# Allegro board HI3516APERB_VER_B_PCB.brd (continued)
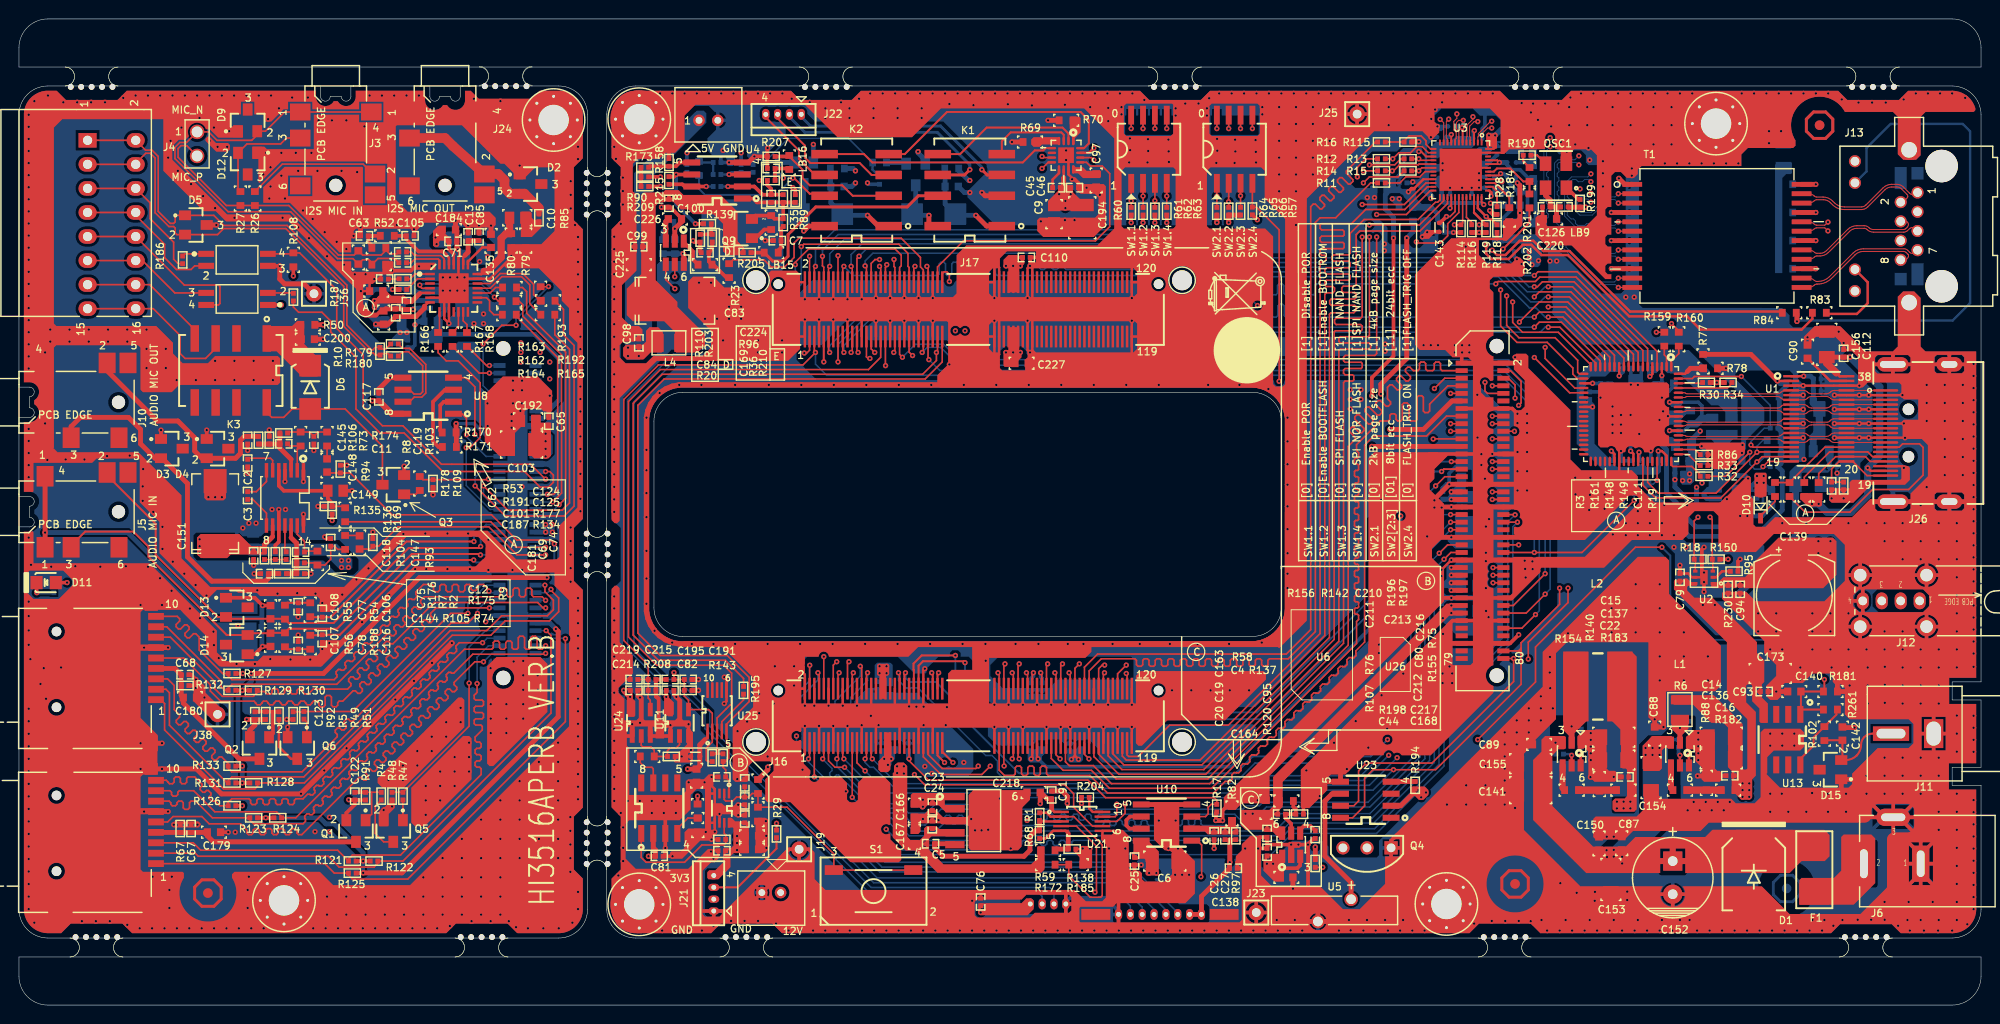
[diagram p0: board, top side]
## Routing (per net, layer and track width the routed paths; a pad name or vN(x,y) marks a point on that pad's centre or on a via; arc(x,y) is an arc through that point) (continued)
PGND: length 296.5
  TOP w0.254: 45.37,75.21 44.87,74.71 ; 45.37,75.21 U17.29 ; 45.37,75.21 U17.10 v1(45.37,71.99) 44.87,72.49 U17.9 44.87,74.71 ; 44.87,74.71 U17.6 ; U17.29 46.36,75.71 47.36,76.71 U17.20 49.7,76.71 51.94,78.96 v1(51.94,79.11) ; U17.29 45.87,76.57 46.37,77.07 U17.24 46.37,78.93 46.45,79.01 46.45,79.17 46.48,79.2 46.48,79.56 46.34,79.7 v1(46.34,79.79) ; 38.1,77.31 37.34,77.31 ; 38.1,77.31 38.18,77.23 C101.2 v1(37.49,76.68) ; 38.1,77.31 39.12,77.31 v1(39.37,77.56) ; v1(36.08,75.41) C187.2 37,76.38 36.96,76.42
  TOP w0.381: C149.2 v1(35.14,54.32) ; 37.72,72.87 38.16,73.31 C181.2 ; R135.2 v1(31.55,52.67) ; v1(32.26,49.45) 32.44,49.27 C118.2 ; U7.1 v1(30.02,55.29) ; v1(18.67,33.5) 18.41,33.75 R132.2 ; U7.4 v1(28.07,55.29) ; Q6.2 v1(28.35,29.36) ; 40.64,55.97 v1(40.64,56.91) ; C180.2 v1(19.57,32.48) ; U12.3 v1(27.52,78.07) ; C119.2 v1(31.11,58.57) ; C77.2 v1(29.46,40.99) ; D9.1 v1(22.17,92.3) ; C68.2 18.16,34.89 v1(18.67,34.38) ; C2.1 v1(24.13,56.15) ; R48.2 v1(39.37,20.97) ; R7.1 27.05,48.56 27.42,48.92 U7.10 v1(27.42,52.34) ; R94.2 v1(34.59,57.02) ; J10.1 v1(2.75,61.43) ; C105.2 v1(41.68,81.93) ; J10.4 v1(2.75,68.93) ; C145.2 v1(24.13,58.57) ; C116.2 v1(32,37.61) ; R49.2 v1(28.24,30.17) ; R74.2 v1(30.81,45.56) ; R73.2 v1(26.42,60.75) ; U7.14 v1(30.02,51.83) ; D4.1 v1(19.81,60.72) ; 41.82,78.03 41.35,77.56 v1(39.37,77.56) ; C179.2 v1(22.09,18.26) ; C78.2 v1(29.46,39.08) ; D12.1 v1(26.09,90.01) ; Q5.2 v1(38.48,20.59) ; C144.2 v1(24.82,45.56) ; C192.2 v1(52.91,62.76) ; D3.1 v1(14.99,60.72) ; R93.2 v1(37.34,49.96)
  TOP w0.508: R79.1 v1(53.47,79.11) ; v1(46.06,82.85) C184.2 46.2,81.77 C71.2 46.2,79.93 v1(46.34,79.79) ; v1(35.31,81.25) C63.2 v1(36.04,82.16) ; C117.2 37.97,65.07 v1(39.17,66.26) U8.5 ; v1(15.09,27.65) J2.11 v1(12.83,27.65) ; 57.15,45.94 57.14,45.95 v1(53.09,45.95) v1(52.07,45.95) v1(49.54,45.95) ; v1(15.73,37.75) J2.6 v1(13.21,37.75) ; C75.2 v1(24.77,46.45) ; v1(29.76,22.32) 29.74,22.3 21.37,22.3 18.73,24.94 v1(15.09,24.94) J1.10 v1(12.83,24.94) ; J36.1 30.09,76.17 28.03,76.17 27.52,76.68 v1(27.52,78.07) ; C65.2 55.91,63.06 55.88,63.09 ; v1(15.73,20.44) J1.6 v1(13.21,20.44) ; C85.2 v1(48.54,82.34) ; v1(51.94,79.11) R80.2 ; C106.2 v1(32,42.46) ; v1(12.83,42.25) J2.10 v1(15.09,42.25) ; C135.2 v1(49.81,82.33) ; D5.3 v1(20.83,82.39) ; C13.2 v1(47.4,82.34) ; v1(39.37,77.56) 39.34,77.56 R191.2 ; C181.2 38.7,73.53 C69.2 40.39,73.53 40.44,73.48 C74.2 v1(41.58,73.48) ; 52.83,87.72 v1(52.83,88.66) ; C200.2 v1(32.09,70.33) ; R109.2 v1(43.69,53.89)
  TOP w0.559: 21.39,36.04 v1(22.96,36.04) v1(24.89,36.04) 31.8,36.04 v1(34.8,39.03) v1(36.21,40.44) v1(37.63,41.87) v1(39.08,43.31) v1(40.23,44.47) v1(41.81,46.04) v1(42.98,46.04) v1(45.21,46.04) v1(47.57,46.04) 49.43,46.04 49.53,45.94 v1(49.54,45.95) ; v1(45.68,38.24) v1(43.58,36.14) v1(41.68,34.24) v1(39.71,32.27) v1(37.11,29.66) v1(34.57,27.12) v1(32.22,24.77) v1(29.76,22.32)
  GND02 w0.381: 31.13,74.06 J36.1 ; J36.1 30.06,75.13 ; J36.1 31.13,76.2 ; J36.1 32.2,75.13 ; J38.1 22.02,30.7 ; J38.1 19.89,30.7 ; J38.1 20.95,29.63 ; J38.1 20.95,31.77
  BOTTOM w0.254: 47.12,78.2 47.21,78.29 C185.2 46.38,79.37 46.23,79.22 ; v1(48.54,82.34) 48.67,82.21 C72.2 49.38,81.48 49.4,81.5 ; J9.33 55.43,49.15 55.6,49.32 57.02,49.32 57.1,49.4 57.2,49.29
  BOTTOM w0.381: 32.36,75.13 J36.1 ; 32.36,75.13 32.65,75.13 ; 32.36,75.13 32.51,75.28 ; J36.1 30,75.13 ; J36.1 31.13,76.39 ; J36.1 31.13,73.98 ; 56.64,78.83 56.83,79.02 56.83,80.18 ; 19.43,30.57 19.56,30.7 J38.1 ; v1(49.25,40.48) 49.92,41.15 J9.14 J9.13 56.93,41.15 57.28,41.5 ; 55.37,79.85 55.7,80.18 56.83,80.18 ; 56.83,80.18 58.35,80.18 58.42,80.1 ; 56.83,80.18 56.83,81.44 56.77,81.5 ; 41.49,69.41 41.77,69.69 41.77,71.84 v1(41.78,71.85) ; 52.14,36.35 v1(52.2,36.29) ; J38.1 20.95,32.35 ; J38.1 20.95,29.18 ; J38.1 22.35,30.7 ; 56.62,54.04 55.91,54.75 J9.47 v1(53.09,54.75) 52.45,54.75 ; J9.64 v1(49.46,61.15) ; C66.2 22.99,50.13 ; 54.5,35.42 54.48,35.4 ; 56.1,61.15 56.13,61.18 ; 56.39,45.94 56.38,45.95 J9.25
  BOTTOM w0.508: J9.48 52.45,54.75 ; v1(23.11,40.1) 23.9,40.1 R189.2 ; 56.85,45.92 56.81,45.95 ; 42.8,73.6 C73.2 41.71,73.6 v1(41.58,73.48) ; 42.8,73.6 42.74,73.54 C186.2 42.16,72.23 v1(41.78,71.85) ; 42.8,73.6 C190.2 ; J9.33 J9.34 v1(49.54,49.15) ; 49.78,35.78 50.35,36.35 J9.2 52.14,36.35 ; J9.1 54.5,35.42 ; J9.1 55.82,36.35 ; J9.1 v1(53.21,36.35) ; C199.2 41.33,67.84 40.77,67.28 ; C199.2 45.8,67.84 46.23,67.4 ; C199.2 43.43,66.26 43.81,65.88 ; 56.13,51.53 56.11,51.55 J9.39 J9.40 48.88,51.55 48.77,51.66 ; C182.2 38.04,68.61 37.59,68.17 ; C182.2 41.02,68.61 C70.2 41.49,69.41 ; C182.2 39.75,66.64 40.01,66.39 ; v1(49.54,45.95) J9.26 v1(52.07,45.95) ; J9.76 v1(52.13,65.95) ; 56.39,61.05 56.29,61.15 J9.63 ; J9.54 J9.53 56.67,57.15 56.77,57.24 ; J9.75 v1(53.08,65.95) ; J9.69 v1(53.08,63.55) ; v1(49.43,63.55) J9.70 v1(52.13,63.55) ; v1(53.09,45.95) J9.25
  vias: v1(1.03,94.03) v1(1.03,92.76) v1(1.03,91.48) v1(1.03,90.2) v1(1.03,88.93) v1(1.03,87.65) v1(1.03,86.38) v1(1.03,85.1) v1(1.03,83.82) v1(1.03,82.55) v1(1.03,81.27) v1(1.03,79.99) v1(1.03,78.72) v1(1.03,77.44) v1(1.03,76.17) v1(1.03,74.89) v1(1.03,73.61) v1(1.03,72.34) v1(1.03,71.06) v1(1.03,69.79) v1(1.03,68.51) v1(1.03,67.23) v1(1.03,60.85) v1(1.03,59.58) v1(1.03,58.3) v1(1.03,57.02) v1(1.03,55.75) v1(1.03,49.37) v1(1.03,42.61) v1(1.03,41.09) v1(1.03,39.57) v1(1.03,38.05) v1(1.03,31.3) v1(1.03,29.98) v1(1.03,28.65) v1(1.03,27.33) v1(1.03,26.01) v1(1.03,24.68) v1(1.03,23.36) v1(1.03,22.04) v1(1.03,20.72) v1(1.03,19.39) v1(1.03,18.07) v1(1.03,16.75) v1(1.03,15.43) v1(1.03,14.1) v1(1.03,12.78) v1(1.03,11.46) v1(1.03,10.14) v1(1.21,36.53) v1(1.27,46.5) v1(1.62,95.47) v1(1.62,8.7) v1(2.27,33.92) v1(2.62,35.58) v1(2.86,32.35) v1(3,57.58) v1(3.06,96.06) v1(3.3,71.34) v1(3.3,70.07) v1(3.4,46.3) v1(4.45,35.65) v1(4.68,95.34) v1(4.93,57.63) v1(5.33,71.34) v1(5.33,70.07) v1(5.94,46.35) v1(6.15,95.34) v1(6.64,8.86) v1(6.91,57.63) v1(7.37,71.34) v1(7.37,70.07) v1(7.61,95.34) v1(8.11,8.86) v1(8.59,46.3) v1(9.08,95.34) v1(9.3,57.98) v1(9.4,71.34) v1(9.4,70.07) v1(9.59,8.86) v1(11.01,95.81) v1(11.28,46.35) v1(11.43,71.34) v1(11.43,70.07) v1(11.43,8.48) v1(11.68,58.03) v1(12.31,96.06) v1(12.74,8.1) v1(13.11,56.61) v1(13.06,54.78) v1(13.06,53.26) v1(13.46,71.34) v1(13.46,69.31) v1(13.46,67.28) v1(13.61,96.06) v1(13.61,46.3) v1(14.05,8.1) v1(14.1,13.56) v1(14.17,52.09) v1(14.91,96.06) v1(14.88,45.08) v1(15.14,50.51) v1(15.14,48.18) v1(15.36,8.1) v1(15.49,69.31) v1(15.49,67.28) v1(15.75,89.5) v1(15.88,12.16) v1(15.88,10.25) v1(16,91.28) v1(16.1,43.76) v1(16.13,13.56) v1(16.21,96.06) v1(16.23,46.83) v1(16.33,19.05) v1(16.64,66.01) v1(16.66,8.1) v1(16.76,88.11) v1(17.14,92.68) v1(17.45,45.56) v1(17.5,96.06) v1(18.03,41.88) v1(17.97,8.1) v1(18.16,86.71) v1(18.64,44.37) v1(18.67,66.01) v1(18.8,96.06) v1(18.85,19.05) v1(19.05,93.69) v1(19.1,40.86) v1(19.28,8.1) v1(19.43,85.44) v1(19.79,43.25) v1(19.99,53.64) v1(20.1,96.06) v1(20.12,91.28) v1(20.52,39.44) v1(20.57,92.68) v1(20.57,38.02) v1(20.59,8.1) v1(20.7,84.17) v1(20.7,68.04) v1(20.7,66.01) v1(20.7,53.64) v1(20.95,90.65) v1(21.08,36.65) v1(21.4,96.06) v1(21.41,53.64) v1(21.89,8.1) v1(21.97,90.65) v1(22.7,96.06) v1(22.73,83.15) v1(22.73,68.04) v1(22.73,66.01) v1(22.82,18.26) v1(23.2,8.1) v1(23.52,43.86) v1(23.62,50.39) v1(24,96.06) v1(24.13,12.16) v1(24.13,10.25) v1(24.26,50.89) v1(24.26,13.56) v1(24.51,8.1) v1(24.77,68.04) v1(24.77,66.01) v1(25.02,50.89) v1(25.15,83.15) v1(25.15,43.81) v1(25.3,96.06) v1(25.78,87.72) v1(25.82,8.1) v1(26.29,93.57) v1(26.42,85.18) v1(26.54,88.49) v1(26.54,86.45) v1(26.52,36.54) v1(26.6,96.06) v1(26.71,52.34) v1(26.8,68.04) v1(26.8,66.01) v1(27.28,43.45) v1(27.43,94.71) v1(27.69,90.01) v1(27.69,87.6) v1(27.81,83.15) v1(28.07,85.18) v1(28.13,52.34) v1(28.65,36.49) v1(28.83,95.85) v1(29.21,90.01) v1(29.36,43.5) v1(29.46,88.11) v1(29.46,82.14) v1(29.97,83.91) v1(30.48,95.85) v1(30.61,80.99) v1(30.73,36.49) v1(30.86,90.01) v1(30.99,83.03) v1(31.05,8.1) v1(31.24,18.32) v1(31.29,43.45) v1(31.5,88.11) v1(31.62,93.44) v1(32.26,81.63) v1(32.36,8.1) v1(32.51,79.09) v1(32.51,11.46) v1(32.51,9.55) v1(32.75,38.23) v1(32.76,19.84) v1(32.76,18.32) v1(33.02,93.44) v1(33.05,42.49) v1(33.53,80.61) v1(33.67,8.1) v1(34.04,88.11) v1(34.11,43.35) v1(34.29,78.2) v1(34.54,93.44) v1(34.54,79.85) v1(34.54,11.46) v1(34.54,9.55) v1(34.97,8.1) v1(35.43,77.18) v1(35.61,44.95) v1(35.69,87.98) v1(36.28,8.1) v1(36.45,92.8) v1(36.58,77.18) v1(36.57,11.46) v1(36.57,9.55) v1(36.88,46.12) v1(37,96.06) v1(37.59,8.1) v1(37.72,92.8) v1(37.85,82.39) v1(38.3,96.06) v1(38.56,47.77) v1(38.6,11.46) v1(38.6,9.55) v1(38.9,8.1) v1(38.98,23.78) v1(39.6,96.06) v1(39.88,82.39) v1(40.21,8.1) v1(40.51,25.3) v1(40.51,23.78) v1(40.56,49.75) v1(40.63,11.46) v1(40.63,9.55) v1(40.89,96.06) v1(41.51,8.1) v1(42.03,26.82) v1(42.03,25.3) v1(42.19,96.06) v1(42.21,78.02) v1(42.67,13.49) v1(42.67,11.46) v1(42.67,9.55) v1(42.82,8.1) v1(42.88,49.8) v1(42.92,23.14) v1(42.92,21.62) v1(42.92,20.09) v1(43.54,78.05) v1(43.56,28.35) v1(43.56,26.82) v1(44.13,8.1) v1(44.44,24.67) v1(44.44,23.14) v1(44.44,21.62) v1(44.73,76.85) v1(44.73,75.46) v1(44.7,15.52) v1(44.7,13.49) v1(44.7,11.46) v1(44.7,9.55) v1(45.08,29.87) v1(45.08,28.35) v1(45.21,49.8) v1(45.49,76.85) v1(45.49,75.46) v1(45.47,8.35) v1(45.97,26.19) v1(45.97,24.67) v1(45.97,23.14) v1(46.25,76.85) v1(46.25,75.46) v1(46.6,31.4) v1(46.6,29.87) v1(46.73,17.55) v1(46.73,15.52) v1(46.73,13.49) v1(46.73,11.46) v1(46.73,9.55) v1(47.02,76.85) v1(47.02,75.46) v1(47.4,49.8) v1(47.49,27.71) v1(47.49,26.19) v1(47.49,24.67) v1(47.75,8.86) v1(48.01,95.73) v1(48.01,71.98) v1(48.76,19.59) v1(48.76,17.55) v1(48.76,15.52) v1(48.76,13.49) v1(48.76,11.46) v1(48.76,9.55) v1(49.02,72.99) v1(49.02,71.98) v1(49.76,35.58) v1(49.78,31.78) v1(49.78,30.25) v1(49.78,28.73) v1(49.78,26.95) v1(49.77,8.86) v1(50.8,95.47) v1(50.79,21.62) v1(50.79,19.59) v1(50.79,17.55) v1(50.79,15.52) v1(50.79,13.49) v1(50.79,11.46) v1(50.79,9.55) v1(51.43,31.78) v1(51.43,30.25) v1(51.43,28.73) v1(51.69,8.86) v1(51.98,62.4) v1(51.98,61.69) v1(51.98,60.98) v1(52.13,64.93) v1(52.45,8.22) v1(52.83,23.65) v1(52.83,21.62) v1(52.83,19.59) v1(52.83,17.55) v1(52.83,15.52) v1(52.96,69.94) v1(52.96,68.93) v1(52.96,67.91) v1(53.08,64.93) v1(53.21,34.83) v1(53.21,33.3) v1(53.21,31.78) v1(53.21,30.25) v1(53.7,8.1) v1(54.73,34.83) v1(54.73,33.3) v1(54.73,31.78) v1(54.86,25.68) v1(54.86,23.65) v1(54.86,21.62) v1(54.86,19.59) v1(54.86,17.55) v1(54.86,15.52) v1(54.99,68.93) v1(55.33,8.1) v1(56.01,67.91) v1(56.01,66.13) v1(56.01,64.36) v1(56.89,27.71) v1(56.89,25.68) v1(56.89,23.65) v1(56.89,21.62) v1(56.89,19.59) v1(56.89,17.55) v1(56.89,15.52) v1(56.96,8.1) v1(58.22,87.01) v1(58.22,85.57) v1(58.22,84.14) v1(58.21,50.44) v1(58.21,49.01) v1(58.21,47.58) v1(58.21,46.14) v1(58.21,44.71) v1(58.18,19.85) v1(58.18,18.41) v1(58.18,16.96) v1(58.18,15.51) v1(58.18,14.07) v1(58.39,8.7) v1(58.67,82.39) v1(58.99,90.65) v1(58.99,89.34) v1(58.99,81.12) v1(58.99,79.81) v1(58.99,78.49) v1(58.99,77.17) v1(58.99,75.86) v1(58.99,74.54) v1(58.99,73.22) v1(58.99,42.99) v1(58.99,41.66) v1(58.99,40.33) v1(58.99,39) v1(58.99,37.67) v1(58.99,36.34) v1(58.99,35.02) v1(58.99,33.69) v1(58.99,32.36) v1(58.99,31.03) v1(58.99,29.7) v1(58.99,28.37) v1(58.99,27.05) v1(58.99,25.72) v1(58.99,24.39) v1(58.99,23.06) v1(58.99,21.73) v1(58.99,11.95) v1(58.99,10.14) v1(59.24,71.91) v1(59.24,70.59) v1(59.24,69.27) v1(59.24,67.96) v1(59.24,66.64) v1(59.24,65.32) v1(59.24,64.01) v1(59.24,62.69) v1(59.24,61.37) v1(59.24,60.06) v1(59.24,58.74) v1(59.24,57.42) v1(59.24,56.11) v1(59.24,54.79) v1(59.24,53.47) v1(59.24,52.16)
VDD_AUDIO: length 3.1
  TOP w0.381: R176.2 25.91,48.1 ; 26.77,49.47 U7.9
  TOP w0.508: 26.77,49.47 25.91,48.61 25.91,48.1
  vias: v1(19.06,49.19) v1(19.06,48.46) v1(19.06,47.72)
VDDREG: length 11.8
  TOP w0.203: U3.45 155.98,89.22 v1(156.21,88.99) 156.04,88.82 U3.44
  BOTTOM w0.381: LB12.2 160.02,82.73 160.02,87.03 C129.1 159.32,87.28 158.37,88.23 157.52,88.23 157.01,88.74 C28.1
  BOTTOM w0.508: v1(156.21,88.99) C28.1
A+: length 26.9
  TOP w0.203: U16.16 112.38,90.51 112.89,91.01 112.89,93.46 112.01,94.33 97.92,94.33 93.46,89.87 K2.4
A-: length 16
  TOP w0.203: K1.5 99.3,89.87 102.11,92.68 110.11,92.68 110.74,92.05 U16.2
AC_LINEL: length 86.1
  TOP w0.203: J8.36 v1(155.46,54.2) ; v1(97.66,25.62) 96.92,26.36 J16.57
  ART03 w0.203: v1(155.46,54.2) 155.22,54.2 153.02,52 153.02,40.32 130.99,18.3 104.98,18.3 v1(97.66,25.62)
AC_LINEL_C: length 54.6
  TOP w0.203: v1(48.72,48.43) 48.56,48.28 41.12,48.28 33.2,40.35 28.47,40.35 R55.2 28.03,40.8 C108.1 22.03,40.8 D13.2 20.98,40.99 14.43,47.54 14.43,50.82 9.3,55.94 J5.2
  BOTTOM w0.203: v1(48.72,48.43) 48.72,49.35 49.32,49.95 J9.36
AC_LINER: length 86.6
  TOP w0.203: v1(98.55,25.62) 97.42,26.75 J16.59 ; J8.30 v1(155.46,56.6)
  ART03 w0.203: v1(155.46,56.6) 155.46,55.31 152.41,52.25 152.41,40.58 130.74,18.91 105.26,18.91 v1(98.55,25.62)
AC_LINER_C: length 54.7
  TOP w0.203: J5.3 5.5,48.53 6.98,50.01 12.06,50.01 13.67,48.41 13.67,47.34 21.92,39.08 D14.2 24.32,39.27 C107.1 26.58,39.31 R56.2 28.07,39.34 28.47,39.74 33.55,39.74 41.45,47.64 48.59,47.64 v1(48.69,47.54)
  BOTTOM w0.203: v1(48.69,47.54) 48.7,47.55 J9.30
AC_MICBIAS_L: length 95.8
  TOP w0.203: v1(97.04,35.1) 96.92,34.98 J16.58 ; J8.38 v1(155.46,53.4)
  ART03 w0.203: v1(155.46,53.4) 153.63,51.57 153.63,40.07 131.25,17.69 104.73,17.69 96.91,25.51 96.91,34.97 v1(97.04,35.1)
AC_MICBIAS_L_C: length 24.3
  TOP w0.203: R54.2 30.78,40.96 C106.1 32.89,40.96 40.89,48.96 v1(48.01,48.96)
  BOTTOM w0.203: v1(48.01,48.96) 48.01,49.45 49.31,50.75 J9.38
AC_MICBIAS_R: length 102.1
  TOP w0.203: J16.56 96.42,34.98 v1(96.3,35.1) ; J8.28 v1(155.46,57.4)
  ART03 w0.203: v1(155.46,57.4) 156.13,56.73 156.13,53.12 154.24,51.22 154.24,39.82 131.5,17.08 104.48,17.08 96.3,25.26 v1(96.3,35.1)
AC_MICBIAS_R_C: length 23.4
  TOP w0.203: R188.2 31.95,39.06 C116.1 33.86,39.11 41.76,47.01 v1(47.98,47.01)
  BOTTOM w0.203: J9.28 48.24,46.75 v1(47.98,47.01)
AC_OUTL: length 79.3
  TOP w0.203: J16.50 94.92,35.84 95.39,36.32 99.67,36.32 v1(99.82,36.16) ; J8.27 v1(151.14,57.4)
  BOTTOM w0.203: v1(99.82,36.16) 99.82,33.6 102.51,30.91 130.63,30.91 143.26,43.53 143.26,51.48 149.18,57.4 v1(151.14,57.4)
AC_OUTL_C: length 30.9
  TOP w0.165: C148.1 32.6,56.2 R94.1 34.95,56.2 39.37,51.78 49.86,51.78 52.53,49.12 56.08,49.12 v1(56.49,48.71)
  BOTTOM w0.203: v1(56.49,48.71) 56.49,46.95 56.29,46.75 J9.27
AC_OUTR: length 81.4
  TOP w0.203: v1(150.11,56.36) 150.36,56.6 J8.29 ; v1(98.81,36.92) 95.25,36.92 94.39,36.06 94.39,35.43 94.42,35.4 J16.48
  BOTTOM w0.203: v1(98.81,36.92) 98.81,33.5 102.11,30.19 131.32,30.19 144.15,43.02 144.15,51.17 149.33,56.36 v1(150.11,56.36)
AC_OUTR_C: length 22.9
  TOP w0.165: C147.2 37.05,48.16 R93.1 37.95,48.46 40.01,50.51 49.58,50.51 52.55,47.55 v1(55.57,47.55)
  BOTTOM w0.165: J9.29 v1(55.57,47.55)
AK7756_RSTN: length 95.1
  TOP w0.165: J17.53 95.92,68.26 v1(96.01,68.17) ; J8.72 158.58,39.8 v1(160.02,41.24)
  BOTTOM w0.165: v1(96.01,68.17) 97.16,67.02 156.67,67.02 160.42,63.27 160.42,41.64 v1(160.02,41.24)
AK7756_RSTN_C: length 17.2
  TOP w0.165: R193.2 55.85,75.86 v1(55.88,75.89) ; v1(52.45,71.8) 50.95,71.8 v1(48.97,69.82)
  BOTTOM w0.165: J9.72 50.05,64.35 48.97,65.42 v1(48.97,69.82) ; v1(52.45,71.8) 52.45,72.46 v1(55.88,75.89)
ALARM_IN: length 15.4
  TOP w0.165: J7.5 12.32,86.25 13.84,84.73 13.84,83.05 16.32,80.57 16.32,78.77 16.79,78.3 R186.2
ALARM_IN_GND: length 16.2
  TOP w0.165: U12.2 18.54,78.07 18.16,77.69 16.61,77.69 15.37,78.94 15.37,80.36 12.32,83.41 12.32,83.71 J7.7
ALARM_OUT: length 19.5
  TOP w0.165: J7.9 12.32,81.17 17.45,76.04 21.06,76.04 21.21,75.89 21.21,74.1 21.06,73.95 U14.4
ALARM_OUT_GND: length 13.9
  TOP w0.165: U14.3 16.45,75.22 13.03,78.63 J7.11
AN0: length 6.1
  TOP w0.165: R14.2 v1(144.91,88.11) 145.03,88.11 145.67,88.74 147.65,88.74 147.73,88.82 U3.17
  BOTTOM w0.165: R14.2 v1(144.91,88.11)
AN1: length 3.2
  TOP w0.165: U3.18 148.02,88.42 v1(147.7,88.11) R15.2
  BOTTOM w0.165: R15.2 v1(147.7,88.11)
AUDIO_L_OUT: length 23.2
  TOP w0.508: R106.1 C145.1 23.77,60.06 23.37,59.66 23.37,58.26 22.86,57.75 D4.2 19.81,57.75 19.3,57.75 18.54,58.52 18.54,59.91 16.76,61.69 14.61,61.69 9.3,66.99 J10.2
AUDIO_R_OUT: length 36.7
  TOP w0.508: J10.3 5.5,61.1 6.48,62.07 11.56,62.07 12.83,60.8 12.83,59.28 14.35,57.75 D3.2 15.11,57.75 17.78,55.09 17.78,47.34 20.35,44.77 26.01,44.77 26.31,45.08 C144.1 R105.2
B+: length 25
  TOP w0.203: U16.5 108.32,90.51 108.08,90.26 107.19,90.26 105.92,88.99 90.04,88.99 89.16,89.87 K2.5
B-: length 9
  TOP w0.203: U16.3 110.24,91.91 109.98,92.17 104.65,92.17 103.71,91.23 K1.4
CEC_A_HDMI: length 9.1
  TOP w0.165: U1.23 190.55,58.92 R161.2 R3.1
CEC_A_SII9022A: length 20.8
  TOP w0.165: v1(182.75,59.15) 182.98,58.92 U1.16 ; v1(181.74,66.39) 176.78,66.39 176.57,66.17 U22.71
  BOTTOM w0.165: v1(181.74,66.39) 184.78,63.34 R151.1 184.15,60.93 182.75,59.53 v1(182.75,59.15)
CVBS_DAC: length 10.9
  TOP w0.203: J11.1 195.58,28.67 arc(195.11,28.58) 194.71,28.31 arc(194.46,27.94) 194.37,27.49 arc(194.25,26.88) 193.9,26.36 arc(193.37,26) 192.74,25.88 D15.2 192.41,26 C142.1 190.54,27.97 R102.2
DAMP+: length 14.4
  TOP w0.203: LB16.2 81.28,89.63 82.68,88.23 82.68,87.34 83.44,86.58 86.87,86.58 87.98,85.47 K2.2
  TOP w0.381: R207.1 81.18,89.63 LB16.2
DAMP+/A+: length 15.4
  TOP w0.203: K2.3 89.97,87.67 88.71,88.93 83.5,88.93 82.93,89.5 82.93,90.77 80.05,93.65 J22.3
DAMP-: length 17.9
  TOP w0.203: v1(81.66,87.34) 81.79,87.34 83.44,85.69 84.79,85.69 K2.7
  BOTTOM w0.203: v1(81.66,87.34) 79.88,85.57 72.39,85.57 71.75,86.2 LB14.2
  BOTTOM w0.254: R206.1 70.59,87.85 71.52,87.85 LB14.2
DAMP-/B+: length 9.6
  TOP w0.203: J22.4 78.8,93.76 82.3,90.26 82.3,89.38 84,87.67 K2.6
DC_IRIS_PWM: length 26.4
  TOP w0.165: J17.52 95.42,77.66 95.12,77.96 95.12,78.96 93.09,80.99 82.3,80.99 81.79,80.49 81.79,78.96 80.77,77.95 79.38,77.95 78.61,78.71 75.34,78.71 R23.1
DRIVE+: length 24.3
  TOP w0.305: K1.7 94.9,85.47 93.73,84.3 84.07,84.3 81.15,81.37 81.15,79.09 80.64,78.58 79.52,78.58 LB15.2
  TOP w0.381: R205.2 LB15.2
DRIVE+/A-: length 25.5
  TOP w0.305: v1(100.33,88.23) 99.77,87.67 K1.6
  BOTTOM w0.305: v1(100.33,88.23) 100.33,88.74 96.9,92.17 82.93,92.17 81.3,93.8 J22.2
DRIVE-/B-: length 24.1
  TOP w0.305: v1(101.6,88.23) 102.16,87.67 K1.3
  BOTTOM w0.305: v1(101.6,88.23) 101.6,88.49 97.24,92.84 83.53,92.84 82.55,93.82 J22.1
DRIVING+_G: length 3
  TOP w0.381: LB15.1 80.11,79.7 80.42,80 C7.1 80.42,82.01 R89.2
ENSWREG: length 2.8
  TOP w0.203: U3.38 155.48,86.42 155.96,85.95 R28.2
EPHY_CLK: length 93
  TOP w0.165: v1(109.3,35.1) 109.42,34.98 J16.88
  TOP w0.203: v1(156.59,79.85) 158.33,81.59 158.33,81.6 158.65,81.92 158.66,81.92 159.38,82.64 R202.1
  ART03 w0.165: v1(109.3,35.1) 109.3,34.81 111.86,32.25 131.93,32.25 138.25,38.57 138.25,40.09 138.25,68.24 149.21,79.2 155.94,79.2 v1(156.59,79.85)
ETH_RSTN: length 84.8
  TOP w0.165: J16.94 110.92,34.98 v1(110.8,35.1) ; U3.29 151.53,83.81 151,83.28 v1(150.62,83.28)
  TOP w0.381: v1(150.62,83.28) 149.95,82.61 C143.1
  ART03 w0.165: v1(110.8,35.1) 110.8,35.09 112.6,33.29 117.91,33.29 119.32,34.7 132.98,34.7 137.26,38.98 137.26,69.16 150.62,82.52 v1(150.62,83.28)
FLASH_RSTN: length 78.6
  TOP w0.165: 73.79,26.54 73.66,26.66 ; 73.66,26.66 73.53,26.54 ; 73.66,26.66 U25.3 73.66,30.32 74.64,31.3 74.65,31.3 75.2,31.86 75.2,35.05 74.37,35.88 67.3,35.88 64.31,38.87 64.31,63.76 67.68,67.12 89.63,67.12 90.92,68.41 J17.33
  TOP w0.254: R196.2 R197.2
FLASH_TRIG: length 107.9
  TOP w0.165: v1(82.87,68.87) 83.12,68.87 83.42,69.17 J17.3 ; U21.7 113.28,18.9 111.28,20.89 111.28,22.32 110.34,23.27 95.57,23.27 v1(94.49,24.35)
  ART03 w0.165: v1(94.49,24.35) 94.49,26.82 90.17,31.13 90.17,35.53 88.32,37.38 68.12,37.38 65.48,40.02 65.48,63.92 68.83,67.28 81.28,67.28 v1(82.87,68.87)
FLASH_TRIG_A: length 65.9
  TOP w0.165: v1(158.24,48.6) J8.50 ; v1(115.84,21.22) 115.84,20.08 115.66,19.9 U21.9
  ART04 w0.165: v1(158.24,48.6) 158.24,40.23 154.43,36.42 154.43,32.35 145.17,23.09 119.65,23.09 117.13,20.57 116.43,20.57 115.84,21.16 v1(115.84,21.22)
FLASH_TRIG_A_C: length 8.6
  TOP w0.165: v1(49.54,55.55) 49.48,55.49 R109.1 42.62,55.49 R178.1
  BOTTOM w0.254: J9.50 v1(49.54,55.55)
FLASH_TRIG_COM: length 18.3
  TOP w0.165: J7.15 14.17,73.55 17.02,70.71 17.02,68.8 17.53,68.29 19.69,68.29 20.75,69.36 K3.3
FLASH_TRIG_NO: length 14.2
  TOP w0.165: J7.13 13.79,76.09 18.55,71.33 K3.4
FLASH_TRIG_VALID: length 121.6
  TOP w0.165: SW2.4 R57.2 130.58,84.27 132.97,81.88 v1(132.97,65.88) ; v1(116.71,21.22) 116.71,20.25 115.86,19.4 U21.8
  ART04 w0.165: v1(132.97,65.88) 143.87,65.88 148.34,61.42 148.34,50.77 150.37,48.74 154.94,48.74 157.1,46.58 157.1,39.97 153.8,36.67 153.8,32.48 144.91,23.59 119.09,23.59 116.72,21.22 v1(116.71,21.22)
GPIO1: length 38.5
  TOP w0.165: v1(113.41,89.25) 113.15,89.51 U16.14 ; v1(94.29,68.6) 93.92,68.97 J17.45
  ART03 w0.165: v1(113.41,89.25) 112.39,88.23 109.73,88.23 108.97,87.47 108.97,77.95 105.03,74.01 105.03,71.72 102.76,69.45 98.6,69.45 98.59,69.46 95.09,69.46 95.08,69.45 94.75,69.45 94.29,68.98 v1(94.29,68.6)
GPIO2: length 30.7
  TOP w0.165: U16.13 112.64,89.01 113.03,88.61 114.3,88.61 115.09,87.82 115.09,82.22 113.58,80.71 99.66,80.71 96.92,77.97 J17.58
GPIO3: length 37.5
  TOP w0.165: J17.29 89.92,69.3 v1(90.3,68.93) ; v1(107.95,89.63) 108.07,89.51 U16.7
  ART03 w0.165: v1(90.3,68.93) 91.81,70.44 102.22,70.44 104.01,72.23 104.01,74.39 104.04,74.42 104.04,74.42 107.7,78.08 107.7,81.12 107.19,81.63 107.19,88.87 v1(107.95,89.63)
GPIO4: length 34.7
  TOP w0.165: v1(107.95,88.36) 108.6,89.01 U16.8 ; v1(92.3,68.93) 92.42,69.05 J17.39
  ART03 w0.165: v1(107.95,88.36) 108.46,87.85 108.46,78.14 104.53,74.21 104.53,74.15 104.52,74.14 104.52,71.98 102.49,69.94 93.31,69.94 92.3,68.94 v1(92.3,68.93)
GPIO5: length 49.6
  TOP w0.165: J17.35 91.42,67.55 v1(91.44,67.53)
  ART04 w0.165: v1(78.11,87.09) 80.26,84.93 80.26,78.96 82.8,76.42 87.12,76.42 88.14,75.41 88.14,72.48 89.15,71.47 89.15,68.04 89.66,67.53 v1(91.44,67.53)
  BOTTOM w0.165: R144.1 87.53,91.53 81.18,91.53 R145.1 78.87,88.77 78.87,87.83 R46.1 78.33,87.09 v1(78.11,87.09)
  BOTTOM w0.254: R144.1 90.07,88.23 R45.1
HI3516A_ALARM_IN: length 97.1
  TOP w0.165: J8.49 150.74,48.6 v1(149.86,47.72) ; J16.21 v1(87.92,21.94)
  BOTTOM w0.165: v1(87.92,21.94) 87.93,21.94 90.6,19.27 91.82,19.27 93.72,17.38 103.01,17.38 104.01,18.38 132.51,18.38 133.85,19.72 142.74,19.72 148.84,25.82 148.84,46.7 v1(149.86,47.72)
HI3516A_ALARM_IN_C: length 45.9
  TOP w0.165: U12.4 28.85,79.34 R108.2 29.62,79.44 33.53,75.53 33.53,71.47 36.32,68.67 36.32,63.21 38.35,61.18 40.51,61.18 44.58,57.12 45.68,57.12 53.98,57.12 55.54,55.55 v1(55.57,55.55)
  BOTTOM w0.508: J9.49 v1(55.57,55.55)
HI3516A_ALARM_OUT: length 105.9
  TOP w0.165: J16.22 87.92,34.98 v1(88.04,35.1) ; v1(150.37,47.08) 151.09,47.8 J8.51
  ART03 w0.165: v1(91.5,18.57) 90.68,19.4 90.68,26.76 89.92,27.53 89.92,29.43 89.1,30.24 89.1,34.03 v1(88.04,35.1)
  BOTTOM w0.165: v1(150.37,47.08) 149.34,46.06 149.34,25.62 142.95,19.23 134.06,19.23 132.72,17.89 104.26,17.89 103.26,16.88 93.19,16.88 v1(91.5,18.57)
HI3516A_ALARM_OUT_C: length 42.8
  TOP w0.165: R187.2 28.96,73.72 29.51,73.17 31.97,73.17 32.89,72.25 32.89,71.09 35.56,68.42 35.56,62.96 38.1,60.42 40.64,60.42 44.7,56.36 53.34,56.36 54.99,54.7 55.88,54.7 56.39,55.21 56.39,55.97 56.01,56.35 v1(55.57,56.35)
  BOTTOM w0.508: J9.51 v1(55.57,56.35)
HOT_PLUG_HDMI: length 9.3
  TOP w0.165: R19.1 C111.1 191.26,56.61 192.07,57.42 U1.20 193.5,57.42 195,55.92 J26.19
HOT_PLUG_SII9022A: length 12.4
  TOP w0.165: v1(182.63,58.39) 180.09,55.85 R32.2 ; v1(184.02,56.86) 184.58,57.42 U1.19
  BOTTOM w0.165: R87.1 v1(184.02,56.86) 183.77,56.61 183.13,56.61 182.63,57.12 v1(182.63,58.39)
I2C2_SCL: length 213.1
  TOP w0.165: U23.8 140.72,19.78 141.99,21.05 141.99,23.97 142.88,24.86 v1(145.03,24.86) 149.48,24.86 158.5,33.88 158.5,37.12 ; 158.5,37.31 158.4,37.4 158.34,37.4 ; 158.5,37.31 158.5,37.12 ; 158.5,37.31 158.5,37.56 ; 158.5,37.12 158.21,37.4 ; 158.21,37.4 158.34,37.4 ; 158.21,37.4 J8.78 ; 158.21,37.4 158.5,37.69 ; 158.34,37.4 158.5,37.56 ; 158.5,37.56 158.5,37.69 ; v1(162.56,44.04) 162.56,42.32 158.5,38.26 158.5,37.69 ; v1(174.37,71.98) 175.13,71.21 R160.2 ; v1(87.04,26) 86.92,26.12 J16.17 ; U27.5 v1(69.2,76.93)
  ART03 w0.165: v1(174.37,71.98) 170.5,71.98 162.56,64.04 v1(162.56,44.04)
  ART04 w0.165: v1(69.2,76.93) 68.61,76.34 68.61,69.78 64.69,65.87 64.69,39.41 67.89,36.21 77.42,36.21 78.87,34.77 78.87,30.19 81.53,27.53 85.72,27.53 87.04,26.21 v1(87.04,26)
  BOTTOM w0.165: v1(145.03,24.86) 142.88,22.7 130.56,22.7 129.76,21.91 104.74,21.91 104.02,21.18 96.65,21.18 95.76,20.29 93.85,20.29 92.87,21.27 91.77,21.27 v1(87.04,26)
I2C2_SCL_C: length 6.1
  TOP w0.165: v1(49.64,66.75) 48.56,66.75 R167.2
  BOTTOM w0.165: J9.78 v1(49.64,66.75)
I2C2_SDA: length 202.2
  TOP w0.165: J16.42 92.92,34.98 v1(92.8,35.1) ; U27.4 68.25,76.62 v1(69.22,75.66) ; J8.80 v1(157.71,36.6) 157.71,34.17 149.1,25.56 v1(142.18,25.56) 141.35,24.73 141.35,21.56 140.84,21.05 U23.7 ; v1(163.45,44.04) 163.45,42.51 159.26,38.32 v1(159.26,36.54) ; R159.2 v1(172.77,71.06)